# KiCad board HHKB.kicad_pcb
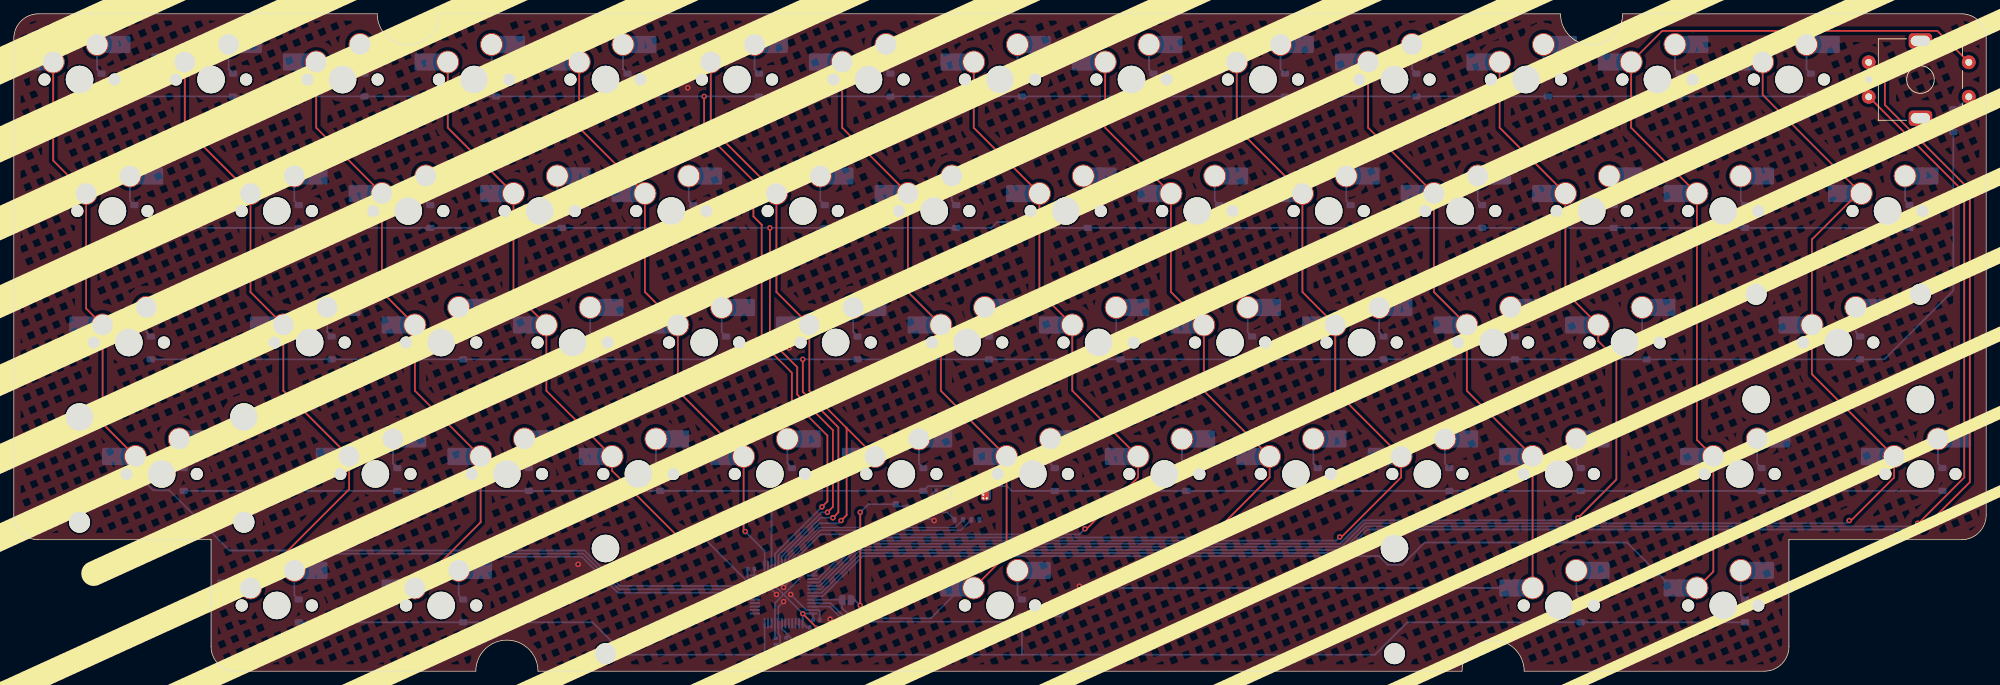
[diagram p0: board, top side]
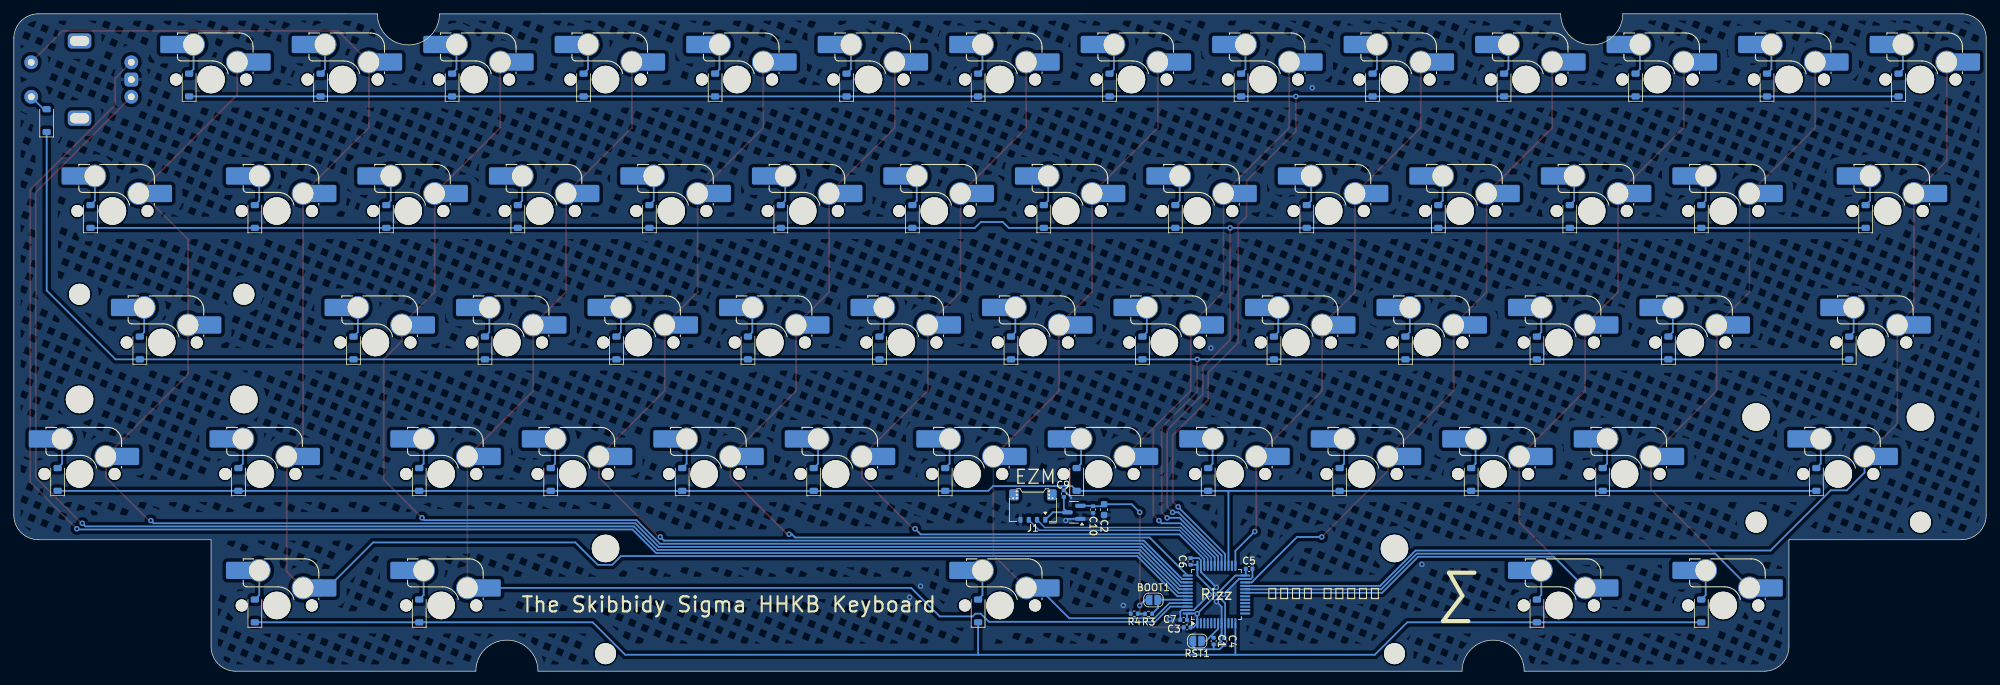
[diagram p1: board, bottom side, seen from below]

Outline 285.75 x 95.25 mm; copper layers: Top, Bottom. Coordinates in mm from the lower left corner of the outline.
Outline path: 0,91.68 0,22.62 arc(1.05,20.1) 3.57,19.05 28.58,19.05 28.58,3.57 arc(29.62,1.05) 32.15,0 66.94,0 arc(71.44,4.5) 75.94,0 209.81,0 arc(214.31,4.5) 218.81,0 253.6,0 arc(256.13,1.05) 257.17,3.57 257.17,19.05 282.18,19.05 arc(284.7,20.1) 285.75,22.62 285.75,91.68 arc(284.7,94.2) 282.18,95.25 233.08,95.24 arc(228.58,90.74) 224.08,95.24 61.65,95.25 arc(57.15,90.75) 52.65,95.25 3.57,95.25 arc(1.05,94.2) 0,91.68
Stack: Top 0.035mm / dielectric 1.11mm FR4 er 4.5 / Bottom 0.035mm

## Placement (name value [footprint] x y rotation side)
BOOT1  SW_SPST  [SolderJumper-2_P1.3mm_Open_RoundedPad1.0x1.5mm]  120.65 10.32 180 bottom
C1  100nF  [C_0402_1005Metric]  111.92 4.37 270 bottom
C2  10uF  [C_0603_1608Metric]  127.79 23.42 270 bottom
C3  100nF  [C_0402_1005Metric]  115.77 6.35 0 bottom
C4  100nF  [C_0402_1005Metric]  110.37 4.32 270 bottom
C5  100nF  [C_0402_1005Metric]  106.8 14.82 180 bottom
C6  100nF  [C_0402_1005Metric]  115.27 15.91 90 bottom
C7  100nF  [C_0402_1005Metric]  116.27 7.42 0 bottom
C9  1uF  [C_0402_1005Metric]  133.62 25.72 90 bottom
C10  1uF  [C_0402_1005Metric]  129.38 23.42 270 bottom
D1  D_Small  [D_SOD-123]  12.7 84.93 90 bottom
D2  D_Small  [D_SOD-123]  31.75 84.93 90 bottom
D3  D_Small  [D_SOD-123]  50.8 84.93 90 bottom
D4  D_Small  [D_SOD-123]  69.85 84.93 90 bottom
D5  D_Small  [D_SOD-123]  88.9 84.93 90 bottom
D6  D_Small  [D_SOD-123]  107.95 84.93 90 bottom
D7  D_Small  [D_SOD-123]  127 84.93 90 bottom
D8  D_Small  [D_SOD-123]  146.05 84.93 90 bottom
D9  D_Small  [D_SOD-123]  165.1 84.93 90 bottom
D10  D_Small  [D_SOD-123]  184.15 84.93 90 bottom
D11  D_Small  [D_SOD-123]  203.2 84.93 90 bottom
D12  D_Small  [D_SOD-123]  222.25 84.93 90 bottom
D13  D_Small  [D_SOD-123]  241.3 84.93 90 bottom
D14  D_Small  [D_SOD-123]  260.35 84.93 90 bottom
D15  D_Small  [D_SOD-123]  17.46 65.88 90 bottom
D16  D_Small  [D_SOD-123]  41.27 65.88 90 bottom
D17  D_Small  [D_SOD-123]  60.33 65.88 90 bottom
D18  D_Small  [D_SOD-123]  79.37 65.88 90 bottom
D19  D_Small  [D_SOD-123]  98.42 65.88 90 bottom
D20  D_Small  [D_SOD-123]  117.48 65.88 90 bottom
D21  D_Small  [D_SOD-123]  136.52 65.88 90 bottom
D22  D_Small  [D_SOD-123]  155.57 65.88 90 bottom
D23  D_Small  [D_SOD-123]  174.62 65.88 90 bottom
D24  D_Small  [D_SOD-123]  193.67 65.88 90 bottom
D25  D_Small  [D_SOD-123]  212.72 65.88 90 bottom
D26  D_Small  [D_SOD-123]  231.77 65.88 90 bottom
D27  D_Small  [D_SOD-123]  250.82 65.88 90 bottom
D28  D_Small  [D_SOD-123]  274.64 65.88 90 bottom
D29  D_Small  [D_SOD-123]  19.84 46.83 90 bottom
D30  D_Small  [D_SOD-123]  46.04 46.83 90 bottom
D31  D_Small  [D_SOD-123]  65.09 46.83 90 bottom
D32  D_Small  [D_SOD-123]  84.14 46.83 90 bottom
D33  D_Small  [D_SOD-123]  103.19 46.83 90 bottom
D34  D_Small  [D_SOD-123]  122.24 46.83 90 bottom
D35  D_Small  [D_SOD-123]  141.29 46.83 90 bottom
D36  D_Small  [D_SOD-123]  160.34 46.83 90 bottom
D37  D_Small  [D_SOD-123]  179.39 46.83 90 bottom
D38  D_Small  [D_SOD-123]  198.44 46.83 90 bottom
D39  D_Small  [D_SOD-123]  217.49 46.83 90 bottom
D40  D_Small  [D_SOD-123]  236.54 46.83 90 bottom
D41  D_Small  [D_SOD-123]  267.49 46.83 90 bottom
D42  D_Small  [D_SOD-123]  24.61 27.78 90 bottom
D43  D_Small  [D_SOD-123]  55.56 27.78 90 bottom
D44  D_Small  [D_SOD-123]  74.61 27.78 90 bottom
D45  D_Small  [D_SOD-123]  93.66 27.78 90 bottom
D46  D_Small  [D_SOD-123]  112.71 27.78 90 bottom
D47  D_Small  [D_SOD-123]  131.76 27.78 90 bottom
D48  D_Small  [D_SOD-123]  150.81 27.78 90 bottom
D49  D_Small  [D_SOD-123]  169.86 27.78 90 bottom
D50  D_Small  [D_SOD-123]  188.91 27.78 90 bottom
D51  D_Small  [D_SOD-123]  207.96 27.78 90 bottom
D52  D_Small  [D_SOD-123]  227.01 27.78 90 bottom
D53  D_Small  [D_SOD-123]  253.21 27.78 90 bottom
D54  D_Small  [D_SOD-123]  279.4 27.78 90 bottom
D55  D_Small  [D_SOD-123]  41.27 8.73 90 bottom
D56  D_Small  [D_SOD-123]  65.09 8.73 90 bottom
D57  D_Small  [D_SOD-123]  146.05 8.73 90 bottom
D58  D_Small  [D_SOD-123]  227.01 8.73 90 bottom
D59  D_Small  [D_SOD-123]  250.82 8.73 90 bottom
D60  D_Small  [D_SOD-123]  280.99 79.77 90 bottom
J1  Conn_01x04  [Molex_Pico-EZmate_78171-0004_1x04-1MP_P1.20mm_Vertical]  138.11 23.81 0 bottom
MX1  MX_SW_solder  [SW_MX_HS_CPG151101S11_1u]  9.52 85.72 180 bottom
MX2  MX_SW_solder  [SW_MX_HS_CPG151101S11_1u]  28.58 85.72 180 bottom
MX3  MX_SW_solder  [SW_MX_HS_CPG151101S11_1u]  47.62 85.72 180 bottom
MX4  MX_SW_solder  [SW_MX_HS_CPG151101S11_1u]  66.67 85.72 180 bottom
MX5  MX_SW_solder  [SW_MX_HS_CPG151101S11_1u]  85.73 85.72 180 bottom
MX6  MX_SW_solder  [SW_MX_HS_CPG151101S11_1u]  104.77 85.72 180 bottom
MX7  MX_SW_solder  [SW_MX_HS_CPG151101S11_1u]  123.83 85.72 180 bottom
MX8  MX_SW_solder  [SW_MX_HS_CPG151101S11_1u]  142.88 85.72 180 bottom
MX9  MX_SW_solder  [SW_MX_HS_CPG151101S11_1u]  161.93 85.72 180 bottom
MX10  MX_SW_solder  [SW_MX_HS_CPG151101S11_1u]  180.98 85.72 180 bottom
MX11  MX_SW_solder  [SW_MX_HS_CPG151101S11_1u]  200.02 85.72 180 bottom
MX12  MX_SW_solder  [SW_MX_HS_CPG151101S11_1u]  219.07 85.72 180 bottom
MX13  MX_SW_solder  [SW_MX_HS_CPG151101S11_1u]  238.12 85.72 180 bottom
MX14  MX_SW_solder  [SW_MX_HS_CPG151101S11_1u]  257.17 85.72 180 bottom
MX15  MX_SW_solder  [SW_MX_HS_CPG151101S11_1u]  14.29 66.67 180 bottom
MX16  MX_SW_solder  [SW_MX_HS_CPG151101S11_1u]  38.1 66.67 180 bottom
MX17  MX_SW_solder  [SW_MX_HS_CPG151101S11_1u]  57.15 66.67 180 bottom
MX18  MX_SW_solder  [SW_MX_HS_CPG151101S11_1u]  76.2 66.67 180 bottom
MX19  MX_SW_solder  [SW_MX_HS_CPG151101S11_1u]  95.25 66.67 180 bottom
MX20  MX_SW_solder  [SW_MX_HS_CPG151101S11_1u]  114.3 66.67 180 bottom
MX21  MX_SW_solder  [SW_MX_HS_CPG151101S11_1u]  133.35 66.67 180 bottom
MX22  MX_SW_solder  [SW_MX_HS_CPG151101S11_1u]  152.4 66.67 180 bottom
MX23  MX_SW_solder  [SW_MX_HS_CPG151101S11_1u]  171.45 66.67 180 bottom
MX24  MX_SW_solder  [SW_MX_HS_CPG151101S11_1u]  190.5 66.67 180 bottom
MX25  MX_SW_solder  [SW_MX_HS_CPG151101S11_1u]  209.55 66.67 180 bottom
MX26  MX_SW_solder  [SW_MX_HS_CPG151101S11_1u]  228.6 66.67 180 bottom
MX27  MX_SW_solder  [SW_MX_HS_CPG151101S11_1u]  247.65 66.67 180 bottom
MX28  MX_SW_solder  [SW_MX_HS_CPG151101S11_1u]  271.46 66.67 180 bottom
MX29  MX_SW_solder  [SW_MX_HS_CPG151101S11_1u]  16.67 47.62 180 bottom
MX30  MX_SW_solder  [SW_MX_HS_CPG151101S11_1u]  42.86 47.62 180 bottom
MX31  MX_SW_solder  [SW_MX_HS_CPG151101S11_1u]  61.91 47.62 180 bottom
MX32  MX_SW_solder  [SW_MX_HS_CPG151101S11_1u]  80.96 47.62 180 bottom
MX33  MX_SW_solder  [SW_MX_HS_CPG151101S11_1u]  100.01 47.62 180 bottom
MX34  MX_SW_solder  [SW_MX_HS_CPG151101S11_1u]  119.06 47.62 180 bottom
MX35  MX_SW_solder  [SW_MX_HS_CPG151101S11_1u]  138.11 47.62 180 bottom
MX36  MX_SW_solder  [SW_MX_HS_CPG151101S11_1u]  157.16 47.62 180 bottom
MX37  MX_SW_solder  [SW_MX_HS_CPG151101S11_1u]  176.21 47.62 180 bottom
MX38  MX_SW_solder  [SW_MX_HS_CPG151101S11_1u]  195.26 47.62 180 bottom
MX39  MX_SW_solder  [SW_MX_HS_CPG151101S11_1u]  214.31 47.62 180 bottom
MX40  MX_SW_solder  [SW_MX_HS_CPG151101S11_1u]  233.36 47.62 180 bottom
MX41  MX_SW_solder  [SW_MX_HS_CPG151101S11_1u]  264.32 47.62 180 bottom
MX42  MX_SW_solder  [SW_MX_HS_CPG151101S11_1u]  21.43 28.57 180 bottom
MX43  MX_SW_solder  [SW_MX_HS_CPG151101S11_1u]  52.39 28.57 180 bottom
MX44  MX_SW_solder  [SW_MX_HS_CPG151101S11_1u]  71.44 28.57 180 bottom
MX45  MX_SW_solder  [SW_MX_HS_CPG151101S11_1u]  90.49 28.57 180 bottom
MX46  MX_SW_solder  [SW_MX_HS_CPG151101S11_1u]  109.54 28.57 180 bottom
MX47  MX_SW_solder  [SW_MX_HS_CPG151101S11_1u]  128.59 28.57 180 bottom
MX48  MX_SW_solder  [SW_MX_HS_CPG151101S11_1u]  147.64 28.57 180 bottom
MX49  MX_SW_solder  [SW_MX_HS_CPG151101S11_1u]  166.69 28.57 180 bottom
MX50  MX_SW_solder  [SW_MX_HS_CPG151101S11_1u]  185.74 28.57 180 bottom
MX51  MX_SW_solder  [SW_MX_HS_CPG151101S11_1u]  204.79 28.57 180 bottom
MX52  MX_SW_solder  [SW_MX_HS_CPG151101S11_1u]  223.84 28.57 180 bottom
MX53  MX_SW_solder  [SW_MX_HS_CPG151101S11_1u]  250.03 28.57 180 bottom
MX54  MX_SW_solder  [SW_MX_HS_CPG151101S11_1u]  276.22 28.57 180 bottom
MX55  MX_SW_solder  [SW_MX_HS_CPG151101S11_1u]  38.1 9.53 180 bottom
MX56  MX_SW_solder  [SW_MX_HS_CPG151101S11_1u]  61.91 9.53 180 bottom
MX57  MX_SW_solder  [SW_MX_HS_CPG151101S11_1u]  142.88 9.53 180 bottom
MX58  MX_SW_solder  [SW_MX_HS_CPG151101S11_1u]  223.84 9.53 180 bottom
MX59  MX_SW_solder  [SW_MX_HS_CPG151101S11_1u]  247.65 9.53 180 bottom
R3  5.1k  [R_0402_1005Metric]  121.35 8.31 0 bottom
R4  5.1k  [R_0402_1005Metric]  123.43 8.33 0 bottom
RST1  SW_SPST  [SolderJumper-2_P1.3mm_Open_RoundedPad1.0x1.5mm]  114.3 4.37 0 bottom
S1  MX_stab  [STAB_MX_2.25u]  21.43 28.57 180 top
S2  MX_stab  [STAB_MX_2.25u]  264.32 47.62 0 top
S3  MX_stab  [STAB_MX_7u]  142.88 9.53 180 top
SW1  RotaryEncoder_Switch  [ROT_Alps_EC11E-Switch]  276.22 85.72 270 top
U1  STM32F072CBT6  [LQFP-48_7x7mm_P0.5mm]  111.52 11.11 90 bottom
U3  XC6206PxxxMR-Regulator_Linear  [SOT-23]  132.16 23.02 0 bottom

## Library data of the parts
C1-C7 C9 C10 = -: LCSC: C307331; ki_fp_filters: C_*
D1-D60 = -: Description: Diode, small symbol; Sim.Device: D; Sim.Pins: 1=K 2=A; ki_fp_filters: TO-???* *_Diode_* *SingleDiode* D_*
J1 = -: Description: Generic connector, single row, 01x04, script generated (kicad-library-utils/schlib/autogen/connector/); ki_fp_filters: Connector*:*_1x??_*
MX1-MX59 = -: Description: Push button switch, normally open, two pins, 45° tilted
R3 R4 = -: ki_fp_filters: R_*
S1-S3 = -: Description: Cherry MX-style stabilizer
SW1 = -: Description: Rotary encoder, dual channel, incremental quadrate outputs, with switch; ki_fp_filters: RotaryEncoder*Switch*
U1 = -: Datasheet: https://www.st.com/resource/en/datasheet/stm32f072cb.pdf; JlcRotOffset: 90; ki_fp_filters: LQFP*7x7mm*P0.5mm*
U3 = -: Datasheet: https://www.torexsemi.com/file/xc6206/XC6206.pdf; LCSC: C5446; ki_fp_filters: SOT?23*

## Footprints (pads in the part's own frame, mm; a bottom-side part is the same pattern mirrored in y, then rotated)
C_0402_1005Metric
  rrect 0.56x0.62 smd: 1(-0.48,0) 2(0.48,0)
C_0603_1608Metric
  rrect 0.9x0.95 smd: 1(-0.775,0) 2(0.775,0)
D_SOD-123
  rrect 0.9x1.2 smd: 1(-1.65,0) 2(1.65,0)
LQFP-48_7x7mm_P0.5mm
  rrect 1.475x0.3 smd: 1(-4.162,2.75) 2(-4.162,2.25) 3(-4.162,1.75) 4(-4.162,1.25) 5(-4.162,0.75) 6(-4.162,0.25) 7(-4.162,-0.25) 8(-4.162,-0.75) 9(-4.162,-1.25) 10(-4.162,-1.75) 11(-4.162,-2.25) 12(-4.162,-2.75) 25(4.162,-2.75) 26(4.162,-2.25) 27(4.162,-1.75) 28(4.162,-1.25) 29(4.162,-0.75) 30(4.162,-0.25) 31(4.162,0.25) 32(4.162,0.75) 33(4.162,1.25) 34(4.162,1.75) 35(4.162,2.25) 36(4.162,2.75)
  rrect 0.3x1.475 smd: 13(-2.75,-4.162) 14(-2.25,-4.162) 15(-1.75,-4.162) 16(-1.25,-4.162) 17(-0.75,-4.162) 18(-0.25,-4.162) 19(0.25,-4.162) 20(0.75,-4.162) 21(1.25,-4.162) 22(1.75,-4.162) 23(2.25,-4.162) 24(2.75,-4.162) 37(2.75,4.162) 38(2.25,4.162) 39(1.75,4.162) 40(1.25,4.162) 41(0.75,4.162) 42(0.25,4.162) 43(-0.25,4.162) 44(-0.75,4.162) 45(-1.25,4.162) 46(-1.75,4.162) 47(-2.25,4.162) 48(-2.75,4.162)
Molex_Pico-EZmate_78171-0004_1x04-1MP_P1.20mm_Vertical
  rrect 0.6x0.85 smd: 1(-1.8,1.875) 2(-0.6,1.875) 3(0.6,1.875) 4(1.8,1.875)
  rrect 0.7x0.8 smd: MP(-2.95,-1.9) MP(2.95,-1.9)
  round 0.6 hole 0.3: MP(-2.85,-1.25) MP(-2.35,-2.25) MP(-2.35,-1.75) MP(-2.35,-1.25) MP(2.35,-2.25) MP(2.35,-1.75) MP(2.35,-1.25) MP(2.85,-1.25)
  rrect 1.4x1.6 smd: MP(-2.75,-1.75) MP(2.75,-1.75)
  rrect 1.1x1.6 smd far side: MP(-2.6,-1.75) MP(2.6,-1.75)
R_0402_1005Metric
  rrect 0.54x0.64 smd: 1(-0.51,0) 2(0.51,0)
ROT_Alps_EC11E-Switch
  round 2 hole 1: A(-2.5,-7.5) B(2.5,-7.5) S1(2.5,7) S2(-2.5,7)
  rrect 2x2 hole 1: C(0,-7.5)
  rrect 2.2x3.4 hole 1.5x2.8: MP(-5.6,0) MP(5.6,0)
SolderJumper-2_P1.3mm_Open_RoundedPad1.0x1.5mm
  custom 1x1.5 smd: 1(-0.65,0) 2(0.65,0)
SOT-23
  rrect 1.475x0.6 smd: 1(-0.938,0.95) 2(-0.938,-0.95) 3(0.938,0)
STAB_MX_2.25u
  round 3.988 hole 3.988 unplated: (-11.906,-8.255) (11.906,-8.255)
  round 3.048 hole 3.048 unplated: (-11.906,6.985) (11.906,6.985)
STAB_MX_7u
  round 3.048 hole 3.048 unplated: (-57.15,6.985) (57.15,6.985)
  round 3.988 hole 3.988 unplated: (-57.15,-8.255) (57.15,-8.255)
SW_MX_HS_CPG151101S11_1u
  round 1.75 hole 1.75 unplated: (-5.08,0) (5.08,0)
  round 3.988 hole 3.988 unplated: (0,0)
  round 3.3 hole 3: 1(3.81,2.54) 2(-2.54,5.08)
  rect 1.65x2.5 smd: 1(5.635,2.54) 2(-4.34,5.08)
  rrect 2.55x2.5 smd: 1(7.36,2.54) 2(-6.09,5.08)

## Nets
+3V3: BOOT1.1 C2.1 C3.1 C4.1 C5.1 C6.1 C7.1 C10.1 U1.1 U1.9 U1.24 U1.36 U1.48 U3.2
+5V: C9.1 J1.1 U3.3
GND: C1.2 C2.2 C3.2 C4.2 C5.2 C6.2 C7.2 C9.2 C10.2 J1.4 R4.2 RST1.2 SW1.C U1.8 U1.23 U1.35 U1.47 U3.1
/A0: U1.10
/A1: U1.11
/A3: U1.13
/A4: U1.14
/A5: U1.15
/A6: U1.16
/A7: U1.17
/B0: U1.18
/B13: U1.26
/C13: U1.2
/C14: U1.3
/C15: U1.4
/F0: U1.5
/F1: U1.6
BOOT0: BOOT1.2 R3.1 U1.44
COL0: MX1.1 MX15.1 MX29.1 MX42.1 U1.21
COL1: MX2.1 MX16.1 MX30.1 MX43.1 MX55.1 U1.20
COL2: MX3.1 MX17.1 MX31.1 MX44.1 MX56.1 U1.19
COL3: MX4.1 MX18.1 MX32.1 MX45.1 U1.22
COL4: MX5.1 MX19.1 MX33.1 MX46.1 U1.25
COL5: MX6.1 MX20.1 MX34.1 MX47.1 U1.31
COL6: MX7.1 MX21.1 MX35.1 MX48.1 MX57.1 U1.45
COL7: MX8.1 MX22.1 MX36.1 MX49.1 U1.34
COL8: MX9.1 MX23.1 MX37.1 MX50.1 U1.37
COL9: MX10.1 MX24.1 MX38.1 MX51.1 U1.38
COL10: MX11.1 MX25.1 MX39.1 MX52.1 MX58.1 U1.46
COL11: MX12.1 MX26.1 MX40.1 U1.39
COL12: MX13.1 MX27.1 MX53.1 MX59.1 SW1.S2 U1.43
COL13: MX14.1 MX28.1 MX41.1 MX54.1 U1.40
D+: J1.3 U1.33
D-: J1.2 U1.32
NRST: C1.1 RST1.1 U1.7
ROW0: D1.1 D2.1 D3.1 D4.1 D5.1 D6.1 D7.1 D8.1 D9.1 D10.1 D11.1 D12.1 D13.1 D14.1 U1.28
ROW1: D15.1 D16.1 D17.1 D18.1 D19.1 D20.1 D21.1 D22.1 D23.1 D24.1 D25.1 D26.1 D27.1 D28.1 U1.29
ROW2: D29.1 D30.1 D31.1 D32.1 D33.1 D34.1 D35.1 D36.1 D37.1 D38.1 D39.1 D40.1 D41.1 D60.1 U1.30
ROW3: D42.1 D43.1 D44.1 D45.1 D46.1 D47.1 D48.1 D49.1 D50.1 D51.1 D52.1 D53.1 D54.1 U1.27
ROW4: D55.1 D56.1 D57.1 D58.1 D59.1 U1.12
TermA: SW1.A U1.42
TermB: SW1.B U1.41
Net-(D1-A): D1.2 MX1.2
Net-(D2-A): D2.2 MX2.2
Net-(D3-A): D3.2 MX3.2
Net-(D4-A): D4.2 MX4.2
Net-(D5-A): D5.2 MX5.2
Net-(D6-A): D6.2 MX6.2
Net-(D7-A): D7.2 MX7.2
Net-(D8-A): D8.2 MX8.2
Net-(D9-A): D9.2 MX9.2
Net-(D10-A): D10.2 MX10.2
Net-(D11-A): D11.2 MX11.2
Net-(D12-A): D12.2 MX12.2
Net-(D13-A): D13.2 MX13.2
Net-(D14-A): D14.2 MX14.2
Net-(D15-A): D15.2 MX15.2
Net-(D16-A): D16.2 MX16.2
Net-(D17-A): D17.2 MX17.2
Net-(D18-A): D18.2 MX18.2
Net-(D19-A): D19.2 MX19.2
Net-(D20-A): D20.2 MX20.2
Net-(D21-A): D21.2 MX21.2
Net-(D22-A): D22.2 MX22.2
Net-(D23-A): D23.2 MX23.2
Net-(D24-A): D24.2 MX24.2
Net-(D25-A): D25.2 MX25.2
Net-(D26-A): D26.2 MX26.2
Net-(D27-A): D27.2 MX27.2
Net-(D28-A): D28.2 MX28.2
Net-(D29-A): D29.2 MX29.2
Net-(D30-A): D30.2 MX30.2
Net-(D31-A): D31.2 MX31.2
Net-(D32-A): D32.2 MX32.2
Net-(D33-A): D33.2 MX33.2
Net-(D34-A): D34.2 MX34.2
Net-(D35-A): D35.2 MX35.2
Net-(D36-A): D36.2 MX36.2
Net-(D37-A): D37.2 MX37.2
Net-(D38-A): D38.2 MX38.2
Net-(D39-A): D39.2 MX39.2
Net-(D40-A): D40.2 MX40.2
Net-(D41-A): D41.2 MX41.2
Net-(D42-A): D42.2 MX42.2
Net-(D43-A): D43.2 MX43.2
Net-(D44-A): D44.2 MX44.2
Net-(D45-A): D45.2 MX45.2
Net-(D46-A): D46.2 MX46.2
Net-(D47-A): D47.2 MX47.2
Net-(D48-A): D48.2 MX48.2
Net-(D49-A): D49.2 MX49.2
Net-(D50-A): D50.2 MX50.2
Net-(D51-A): D51.2 MX51.2
Net-(D52-A): D52.2 MX52.2
Net-(D53-A): D53.2 MX53.2
Net-(D54-A): D54.2 MX54.2
Net-(D55-A): D55.2 MX55.2
Net-(D56-A): D56.2 MX56.2
Net-(D57-A): D57.2 MX57.2
Net-(D58-A): D58.2 MX58.2
Net-(D59-A): D59.2 MX59.2
Net-(D60-A): D60.2 SW1.S1
Net-(R3-Pad2): R3.2 R4.1

Pads without a net: J1 MP; SW1 MP

## Via types
v1: diameter 0.8, hole 0.4, Top to Bottom, 31 vias

## Routing (per net, layer and track width the routed paths; a pad name or vN(x,y) marks a point on that pad's centre or on a via; arc(x,y) is an arc through that point)
+3V3: length 64.1
  Top w0.25: v1(122.63,23.02) v1(122.63,9.53) 122.63,8.33 120.65,6.35 116.28,6.35 v1(114.3,8.33)
  Bottom w0.25: 111.52,11.11 110.27,9.86 U1.9 110.27,4.91 C4.1 ; 111.52,11.11 108.77,13.86 U1.24 107.27,13.95 C5.1 ; 111.52,11.11 v1(114.3,8.33) ; 111.52,11.11 114.27,13.86 114.27,15.28 114.42,15.42 115.27,15.42 ; BOOT1.1 121.84,10.32 v1(122.63,9.53) ; U3.2 129.45,23.97 C10.1 128.09,23.9 C2.1 123.81,24.19 v1(122.63,23.02) ; C7.1 115.8,8.25 U1.48 114.33,8.36 v1(114.3,8.33) ; v1(114.3,8.33) 114.3,6.98 U1.1 114.87,6.35 C3.1
+5V: length 6.1
  Bottom w0.25: C9.1 133.62,23.55 U3.3 135.23,23.02 J1.1
GND: length 36.9
  Bottom w0.25: 132.56,25 132.56,25.15 133.61,26.2 C9.2 ; v1(111.52,10.09) 110.77,9.34 U1.8 110.77,5.38 111.01,5.14 111.01,4.17 110.68,3.84 C4.2 111.05,3.17 111.92,3.17 ; C6.2 114.08,16.38 113.77,16.08 113.77,14.39 v1(111.52,12.14) ; C5.2 106.3,14.81 106.3,13.62 106.55,13.36 U1.23 108.25,13.36 v1(110.5,11.11) ; 111.92,3.17 C1.2 ; 111.92,3.17 114.51,3.17 114.95,3.61 RST1.2 ; C7.2 116.76,8.65 116.54,8.86 U1.47 114.8,8.86 v1(112.55,11.11) ; v1(133.35,21.83) 133.11,22.07 U3.1
  vias: v1(81.76,15.48) v1(97.63,84.53) v1(112.32,46.83) v1(118.27,7.54) v1(125.02,9.53) v1(154.38,12.3) v1(155.97,10.72)
BOOT0: length 6.7
  Bottom w0.25: R3.1 120,9.15 BOOT1.2 119.96,10.36 U1.44
COL0: length 161
  Top w0.25: MX42.1 12.86,35.88 12.86,50.16 10.48,52.55 MX15.1 5.71,73.98 MX1.1
  Bottom w0.25: U1.21 87.79,12.36 82.67,17.48 31.26,17.48 22.53,26.21 20.2,26.21 17.62,28.78 MX42.1
COL1: length 169.2
  Top w0.25: MX2.1 24.77,78.74 MX16.1 34.29,54.93 39.05,50.16 39.05,40.64 MX43.1 48.58,26.35 MX55.1
  Bottom w0.25: MX55.1 39.25,17.03 82.49,17.03 87.66,11.86 U1.20
COL2: length 143.3
  Top w0.25: MX56.1 67.63,21.59 MX44.1 58.1,40.64 58.1,50.16 53.34,54.93 MX17.1 43.81,78.74 MX3.1
  Bottom w0.25: MX56.1 62.62,16.58 82.3,16.58 87.52,11.36 U1.19
COL3: length 96.5
  Top w0.25: MX4.1 62.86,78.74 MX18.1 72.39,54.93 77.15,50.16 77.15,40.64 MX45.1 86.68,29.03 v1(96.27,19.45)
  Bottom w0.25: v1(96.27,19.45) 99.83,19.45 106.42,12.86 U1.22
COL4: length 84.1
  Top w0.25: v1(105.97,20.24) 105.73,20.48 MX46.1 96.2,40.64 96.2,50.16 91.44,54.93 MX19.1 81.92,78.74 MX5.1
  Bottom w0.25: 108.77,15.28 108.77,17.43 v1(105.97,20.24)
COL5: length 92.3
  Top w0.25: MX6.1 100.96,78.74 MX20.1 110.49,54.93 115.25,50.16 115.25,40.64 120.61,35.28 ; v1(119.86,21.83) 120.65,22.62 120.65,35.24 120.61,35.28 ; 120.61,35.28 MX47.1
  Bottom w0.25: 111.77,15.28 111.77,16.5 116.71,21.43 119.46,21.43 v1(119.86,21.83)
COL6: length 112.3
  Top w0.25: MX57.1 143.83,16.83 MX48.1 134.3,40.64 134.3,50.16 129.54,54.93 MX21.1 120.02,78.74 MX7.1
  Bottom w0.25: U1.45 118.32,9.86 120.51,7.67 132.84,7.67 MX57.1
COL7: length 125.5
  Top w0.25: v1(155.18,20.64) 155.44,20.64 162.88,28.08 MX49.1 153.35,40.64 153.35,50.16 148.59,54.93 MX22.1 139.06,78.74 MX8.1
  Bottom w0.25: v1(155.18,20.64) 154.36,19.82 116.86,19.82 113.27,16.23 113.27,15.28
COL8: length 142.2
  Top w0.25: v1(173.43,19.84) 173.69,19.84 181.93,28.08 MX50.1 172.4,40.64 172.4,50.16 167.64,54.93 MX23.1 158.12,78.74 MX9.1
  Bottom w0.25: v1(173.43,19.84) 173.04,19.84 172.56,19.37 121.19,19.37 U1.37
COL9: length 161.4
  Top w0.25: v1(192.09,19.45) 192.35,19.45 200.98,28.08 MX51.1 191.45,40.64 191.45,50.16 186.69,54.93 MX24.1 177.17,78.74 MX10.1
  Bottom w0.25: v1(192.09,19.45) 191.56,18.92 122.05,18.92 116.49,13.36 U1.38
COL10: length 190.1
  Top w0.25: MX58.1 MX52.1 210.5,40.64 210.5,50.16 205.74,54.93 MX25.1 196.21,78.74 MX11.1
  Bottom w0.25: U1.46 118.18,9.36 120.39,7.16 144.47,7.16 145.65,8.33 146.45,8.33 146.84,7.94 151.61,7.94 155.73,12.06 MX58.1
COL11: length 190.2
  Top w0.25: MX12.1 215.26,78.74 MX26.1 224.79,54.93 229.55,50.16 229.55,47.83 232.17,45.21 232.17,27.78 v1(226.62,22.22)
  Bottom w0.25: U1.39 116.63,12.86 122.23,18.47 192.13,18.47 195.55,21.88 226.27,21.88 v1(226.62,22.22)
COL12: length 266.4
  Top w0.25: SW1.S2 278.67,92.78 238.83,92.78 MX13.1 234.31,78.74 MX27.1 243.84,33.5 MX53.1 246.22,14.45 MX59.1
  Bottom w0.25: U1.43 117.17,10.86 122.98,16.67 197.79,16.67 199.04,15.41 201.15,15.41 204.39,18.65 233.7,18.65 MX59.1
COL13: length 237.5
  Top w0.25: MX14.1 253.37,83.5 MX28.1 267.15,69.21 260.51,62.57 260.51,43.02 MX54.1 272.41,28.08 266.17,21.83 v1(265.91,21.83)
  Bottom w0.25: v1(265.91,21.83) 265.51,21.43 195.73,21.43 192.32,18.02 122.42,18.02 116.76,12.36 U1.40
D+: length 29.3
  Bottom w0.2: 112.77,15.28 112.77,16.33 116.86,20.42 137.2,20.42 J1.3
D-: length 28.7
  Bottom w0.2: 112.27,15.28 112.27,16.4 116.7,20.82 136.4,20.82 J1.2
NRST: length 4.4
  Bottom w0.25: C1.1 112,4.85 112.29,5.13 ; U1.7 111.27,6.14 112.29,5.13 ; 112.29,5.13 113.05,4.37 RST1.1
ROW0: length 326.2
  Top w0.25: v1(100.01,83.28) 100.01,78.18 107.16,71.04 107.16,65.88 108.35,64.69 108.35,47.62 112.71,43.26 112.71,39.29 117.87,34.13 117.87,24.61 v1(117.08,23.81)
  Bottom w0.25: D1.1 D14.1 ; v1(117.08,23.81) 110.27,17.01 110.27,15.28
ROW1: length 314.4
  Top w0.25: v1(117.87,23.02) 118.67,23.81 118.67,34.92 113.51,40.08 113.51,44.05 109.54,48.02 v1(109.54,64.23)
  Bottom w0.25: D28.1 D22.1 146.51,64.23 145.65,65.09 142.48,65.09 141.62,64.23 D21.1 D18.1 D15.1 ; 110.77,15.28 110.77,16.77 117.02,23.02 v1(117.87,23.02)
ROW2: length 324.7
  Top w0.25: v1(114.3,45.18) 114.3,40.48 119.46,35.32 119.46,23.02 v1(118.67,22.22)
  Bottom w0.25: 111.27,15.28 111.27,16.63 116.86,22.22 v1(118.67,22.22) ; D29.1 D30.1 D41.1 271,45.18 280.99,55.17 D60.1
ROW3: length 266.3
  Bottom w0.25: 109.93,26.13 109.77,25.97 109.77,15.28 ; 109.93,26.13 D42.1 ; 109.93,26.13 D47.1 132.44,26.81 143.9,26.81 144.58,26.13 D48.1 D54.1
ROW4: length 222.7
  Bottom w0.25: 108.74,2.38 108.77,2.41 U1.12 ; 108.74,2.38 88.57,2.38 83.87,7.08 D56.1 D55.1 ; 108.74,2.38 146.05,2.38 ; D57.1 146.05,2.38 ; 146.05,2.38 197.18,2.38 201.88,7.08 D58.1 D59.1
TermA: length 241.2
  Top w0.25: v1(276.62,20.64) 283.37,27.38 283.37,69.73 271.07,82.03 271.07,85.88 SW1.A
  Bottom w0.25: U1.42 117.04,11.36 122.79,17.12 192.69,17.12 196.11,20.53 276.52,20.53 v1(276.62,20.64)
TermB: length 234.5
  Top w0.25: SW1.B 282.57,69.38 282.57,28.08 275.93,21.43 v1(275.83,21.43)
  Bottom w0.25: U1.41 116.9,11.86 122.61,17.57 192.51,17.57 195.92,20.98 275.38,20.98 v1(275.83,21.43)
Net-(D1-A): length 4.5
  Bottom w0.25: MX1.2 12.06,87.22 D1.2
Net-(D2-A): length 4.5
  Bottom w0.25: MX2.2 31.11,87.22 D2.2
Net-(D3-A): length 4.5
  Bottom w0.25: D3.2 50.16,87.22 MX3.2
Net-(D4-A): length 4.5
  Bottom w0.25: D4.2 69.21,87.22 MX4.2
Net-(D5-A): length 4.5
  Bottom w0.25: D5.2 88.27,87.22 MX5.2
Net-(D6-A): length 4.5
  Bottom w0.25: MX6.2 107.31,87.22 D6.2
Net-(D7-A): length 4.5
  Bottom w0.25: D7.2 126.36,87.22 MX7.2
Net-(D8-A): length 4.5
  Bottom w0.25: D8.2 145.42,87.22 MX8.2
Net-(D9-A): length 4.5
  Bottom w0.25: MX9.2 164.46,87.22 D9.2
Net-(D10-A): length 4.5
  Bottom w0.25: MX10.2 183.51,87.22 D10.2
Net-(D11-A): length 4.5
  Bottom w0.25: MX11.2 202.56,87.22 D11.2
Net-(D12-A): length 4.5
  Bottom w0.25: D12.2 221.62,87.22 MX12.2
Net-(D13-A): length 4.5
  Bottom w0.25: MX13.2 240.66,87.22 D13.2
Net-(D14-A): length 4.5
  Bottom w0.25: D14.2 259.71,87.22 MX14.2
Net-(D15-A): length 4.5
  Bottom w0.25: MX15.2 16.83,68.17 D15.2
Net-(D16-A): length 4.5
  Bottom w0.25: MX16.2 40.64,68.17 D16.2
Net-(D17-A): length 4.5
  Bottom w0.25: D17.2 59.69,68.17 MX17.2
Net-(D18-A): length 4.5
  Bottom w0.25: D18.2 78.74,68.17 MX18.2
Net-(D19-A): length 4.5
  Bottom w0.25: MX19.2 97.79,68.17 D19.2
Net-(D20-A): length 4.5
  Bottom w0.25: MX20.2 116.84,68.17 D20.2
Net-(D21-A): length 4.5
  Bottom w0.25: D21.2 135.89,68.17 MX21.2
Net-(D22-A): length 4.5
  Bottom w0.25: MX22.2 154.94,68.17 D22.2
Net-(D23-A): length 4.5
  Bottom w0.25: MX23.2 173.99,68.17 D23.2
Net-(D24-A): length 4.5
  Bottom w0.25: MX24.2 193.04,68.17 D24.2
Net-(D25-A): length 4.5
  Bottom w0.25: D25.2 212.09,68.17 MX25.2
Net-(D26-A): length 4.5
  Bottom w0.25: MX26.2 231.14,68.17 D26.2
Net-(D27-A): length 4.5
  Bottom w0.25: MX27.2 250.19,68.17 D27.2
Net-(D28-A): length 4.5
  Bottom w0.25: D28.2 274,68.17 MX28.2
Net-(D29-A): length 4.5
  Bottom w0.25: D29.2 19.21,49.12 MX29.2
Net-(D30-A): length 4.5
  Bottom w0.25: MX30.2 45.4,49.12 D30.2
Net-(D31-A): length 4.5
  Bottom w0.25: D31.2 64.45,49.12 MX31.2
Net-(D32-A): length 4.5
  Bottom w0.25: MX32.2 83.5,49.12 D32.2
Net-(D33-A): length 4.5
  Bottom w0.25: MX33.2 102.55,49.12 D33.2
Net-(D34-A): length 4.5
  Bottom w0.25: MX34.2 121.6,49.12 D34.2
Net-(D35-A): length 4.5
  Bottom w0.25: D35.2 140.65,49.12 MX35.2
Net-(D36-A): length 4.5
  Bottom w0.25: MX36.2 159.7,49.12 D36.2
Net-(D37-A): length 4.5
  Bottom w0.25: D37.2 178.75,49.12 MX37.2
Net-(D38-A): length 4.5
  Bottom w0.25: D38.2 197.8,49.12 MX38.2
Net-(D39-A): length 4.5
  Bottom w0.25: D39.2 216.85,49.12 MX39.2
Net-(D40-A): length 4.5
  Bottom w0.25: MX40.2 235.9,49.12 D40.2
Net-(D41-A): length 4.5
  Bottom w0.25: D41.2 266.86,49.12 MX41.2
Net-(D42-A): length 4.5
  Bottom w0.25: D42.2 23.97,30.07 MX42.2
Net-(D43-A): length 4.5
  Bottom w0.25: MX43.2 54.93,30.07 D43.2
Net-(D44-A): length 4.5
  Bottom w0.25: MX44.2 73.98,30.07 D44.2
Net-(D45-A): length 4.5
  Bottom w0.25: D45.2 93.03,30.07 MX45.2
Net-(D46-A): length 4.5
  Bottom w0.25: D46.2 112.08,30.07 MX46.2
Net-(D47-A): length 4.5
  Bottom w0.25: D47.2 131.13,30.07 MX47.2
Net-(D48-A): length 4.5
  Bottom w0.25: MX48.2 150.18,30.07 D48.2
Net-(D49-A): length 4.5
  Bottom w0.25: D49.2 169.23,30.07 MX49.2
Net-(D50-A): length 4.5
  Bottom w0.25: MX50.2 188.28,30.07 D50.2
Net-(D51-A): length 4.5
  Bottom w0.25: D51.2 207.33,30.07 MX51.2
Net-(D52-A): length 4.5
  Bottom w0.25: D52.2 226.38,30.07 MX52.2
Net-(D53-A): length 4.5
  Bottom w0.25: MX53.2 252.57,30.07 D53.2
Net-(D54-A): length 4.5
  Bottom w0.25: D54.2 278.76,30.07 MX54.2
Net-(D55-A): length 4.5
  Bottom w0.25: D55.2 40.64,11.02 40.64,14.6
Net-(D56-A): length 4.5
  Bottom w0.25: 64.45,14.6 64.45,11.02 D56.2
Net-(D57-A): length 4.5
  Bottom w0.25: D57.2 145.42,11.02 145.42,14.6
Net-(D58-A): length 4.5
  Bottom w0.25: 226.38,14.6 226.38,11.02 D58.2
Net-(D59-A): length 4.5
  Bottom w0.25: 250.19,14.6 250.19,11.02 D59.2
Net-(D60-A): length 3
  Bottom w0.25: 283.22,83.22 281.42,81.42 D60.2
Net-(R3-Pad2): length 1.1
  Bottom w0.25: R4.1 121.88,8.33 R3.2

## Copper pours and planes (outline as drawn; the poured copper is in the pictures)
GND on Top, Bottom: 293.69,-10.32 -7.94,-11.11 -7.54,106.36 293.69,107.16

## Text on the board
B.Silkscreen: Rizz | EZM | The Skibbidy Sigma HHKB Keyboard | Σ | לביא לוריה
